# Altium PCB cyber60-smk.PcbDoc (part 1 of 4) (continued)
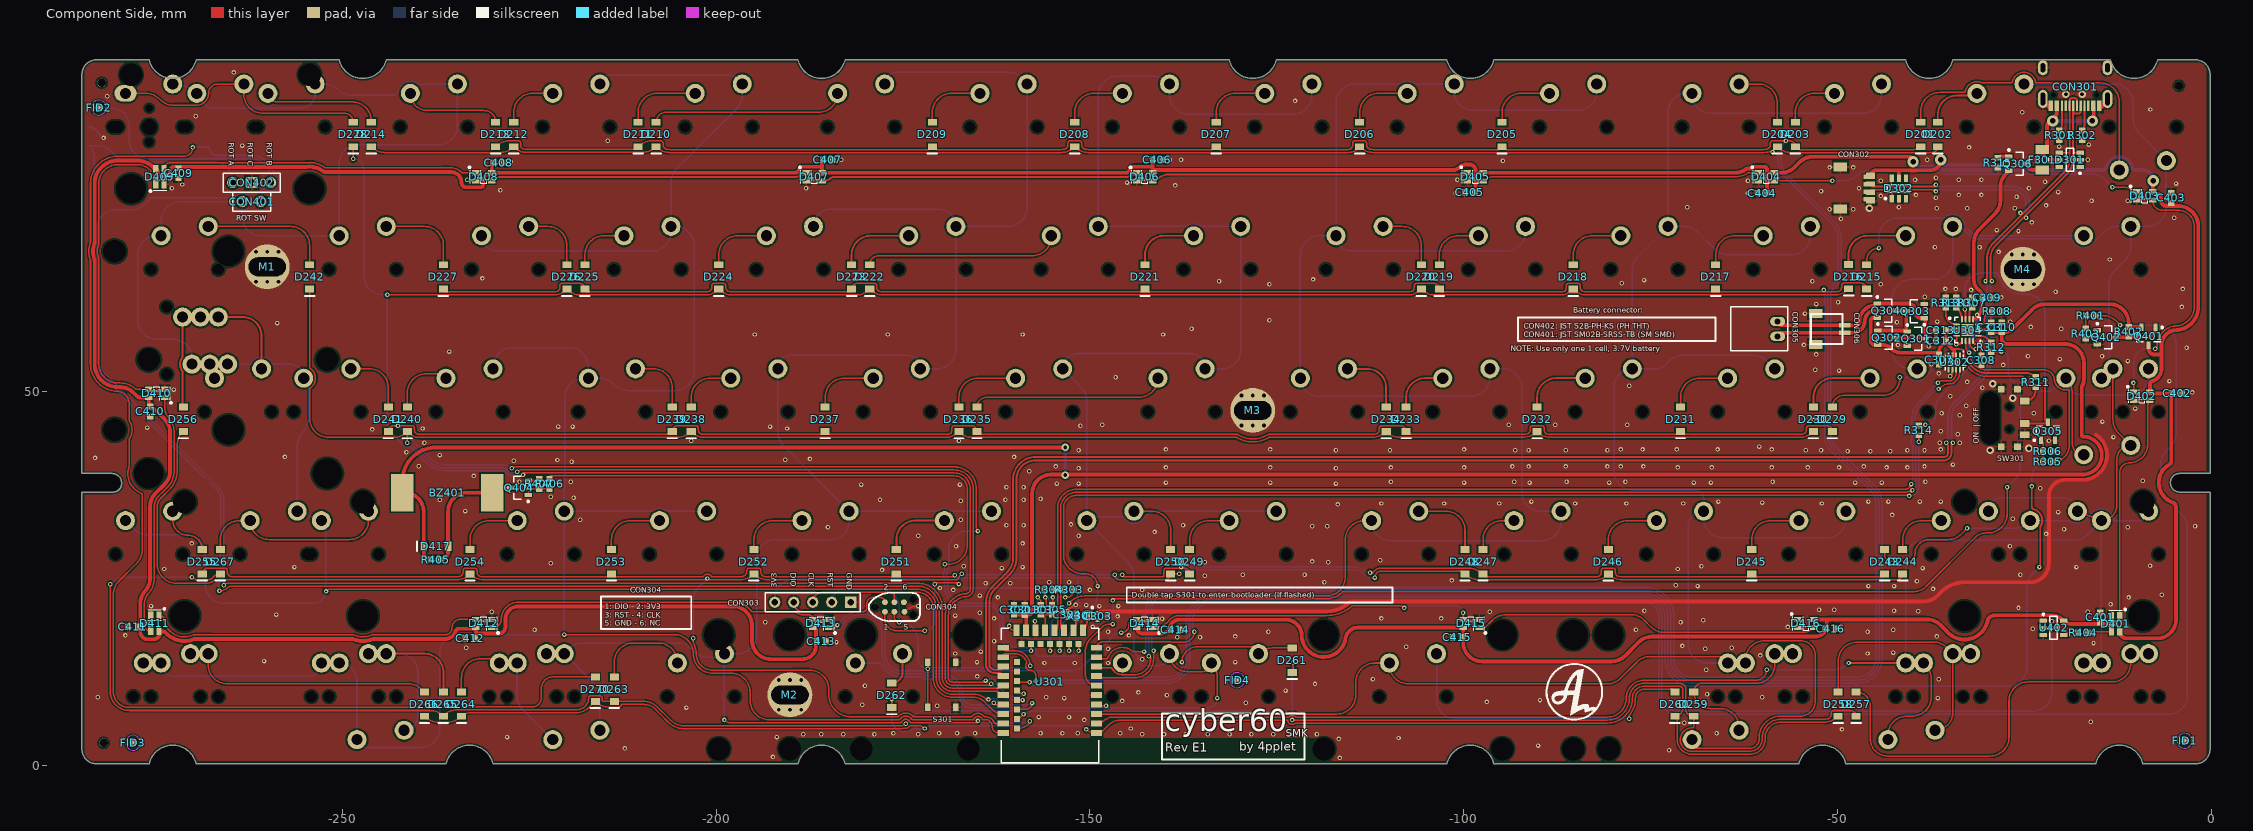
[diagram p0: Component Side view]
## Components (designator, comment, footprint, x,y, rotation, side; value= is the part's Value field where it differs from the comment) (continued)
S241 "MX" SMK-switch#1 -252.012,47.315 r180 bottom locked
S242 "MX" "SMK-switch - 1.5U" -271.087,66.365 r180 bottom locked
S243 "MX" "SMK-switch - Left shift v2" -21.056,28.265 r180 bottom locked
S244 "MX" "SMK-switch - switched polarity" -32.96,28.265 r180 bottom locked
S245 "MX" "SMK-switch - switched polarity" -52.012,28.265 r180 bottom locked
S246 "MX" "SMK-switch - switched polarity" -71.062,28.265 r180 bottom locked
S247 "MX" "SMK-switch - switched polarity" -90.112,28.265 r180 bottom locked
S248 "MX" SMK-switch#1 -109.162,28.265 r180 bottom locked
S249 "MX" "SMK-switch - switched polarity" -128.212,28.265 r180 bottom locked
S250 "MX" SMK-switch#2 -147.262,28.265 r180 bottom locked
S251 "MX" "SMK-switch - switched polarity" -166.312,28.265 r180 bottom locked
S252 "MX" "SMK-switch - switched polarity" -185.362,28.265 r180 bottom locked
S253 "MX" "SMK-switch - switched polarity" -204.412,28.265 r180 bottom locked
S254 "MX" "SMK-switch - switched polarity" -223.462,28.265 r180 bottom locked
S255 "MX" SMK-switch#1 -275.85,28.265 r180 bottom
S256 "MX" "SMK-switch - Enter - rotated stab" -263.95,47.315 r180 bottom locked
S257 "MX" "SMK-switch - 1.5u MOD-L" -13.912,9.215 r180 bottom locked
S258 "MX" "SMK-switch - L_WIN V2" -37.719,9.215 r180 bottom locked
S259 "MX" "SMK-switch - L_ALT V2" -61.537,9.215 r180 bottom locked
S260 "MX" "SMK-switch - 2.75U - rotated stab" -106.78,9.215 r180 bottom locked
S261 "MX" "SMK-switch - Space_V2" -142.499,9.215 r180 bottom locked
S262 "MX" "SMK-switch - 2.75U - rotated stab" -178.218,9.215 r180 bottom locked
S263 "MX" "SMK-switch - switched polarity" -202.031,9.215 r180 bottom locked
S264 "MX" "SMK-switch - R_ALT V2" -223.462,9.215 r180 bottom locked
S265 "MX" "SMK-switch - R_WIN V2" -247.269,9.215 r180 bottom
S266 "MX" "SMK-switch - 1.5u MOD-R" -271.087,9.215 r180 bottom locked
S267 "MX" "SMK-switch - right shift v2" -259.18,28.265 r180 bottom locked
S301 "SW-PB" "XKB SWITCH" -169.799,10.795 r270 top
SW301 "Korean Hroparts Elec K3-1296S-E2" "KOREAN HROPARTS ELEC K3-1296S-E2" -27,46.5 r180 top locked
U301 "E73-2G4M08S1C" E73-2G4M08S1C -155.348,0.356 r0 top locked
U302 "MAX17048" 8TDFN -34.374,53.931 r180 top
U304 "BQ24075" QFN16 -32.596,58.249 r0 top
U401 "EC-11 SMD" EC11-SMD -275.844,85.415 r90 bottom locked
U402 "SN74LV1T125" SOT-23-5 -21.082,18.415 r270 top
X301 "XTAL" XTAL-2012 -151.118,20.066 r180 top value=32.768KHz

## Footprints (in the part's own frame and the unit in brackets; to place one, negate y for a bottom-side part, rotate by r counter-clockwise, add the part's x,y. Pads: shape width x height; smd on the part's side, far side on the other; paste and mask are expansions set on the pad)
8TDFN [mm] "Generated for the MAX17048G+T10"
  rect 0.25x0.8 smd: 1(-0.75,-0.945) 2(-0.25,-0.945) 3(0.25,-0.945) 4(0.75,-0.945) 5(0.75,0.945) 6(0.25,0.945) 7(-0.25,0.945) 8(-0.75,0.945)
  rect 1.2x0.69 smd: 9(0,0)
  silkscreen extent -1.25,-1.5 1.2,1.05, body extent -1.05,-1.1 1.05,1.1, height 0.8
"buzzer 12x12" [mm] "Buzzer"
  rect 3x5 smd: 1(-6,0) 2(6,0)
  body extent -6,-6 6,6, height 3.05
C0402[1005] [mm] "Chip Resistor, 2-Leads, Body 1,00x0,50mm, IPC Medium Density"
  rect 0.55x0.55 smd: 1(-0.45,0) 2(0.45,0)
  body extent -0.32,-0.27 0.33,0.28, height 0.5
C0603[1608] [mm] "Chip Resistor, 2-Leads, Body 1,57x0,80mm, IPC Medium Density"
  rect 0.8x0.85 smd: 1(-0.65,0) 2(0.65,0)
  body extent -0.83,-0.43 0.82,0.43, height 0.5
C1206[3216] [mm]
  rect 1.2x1.8 smd: 1(-1.35,0) 2(1.35,0)
  silkscreen extent -0.35,-0.8 0.35,0.8, body extent -1.6,-0.9 1.6,0.9, height 1.2
E73-2G4M08S1C [mm]
  rect 1.5x0.8 smd: 1(6.25,3.97) 2(6.25,5.24) 3(6.25,6.51) 4(6.25,7.78) 5(6.25,9.05) 6(6.25,10.32) 7(6.25,11.59) 8(6.25,12.86) 9(6.25,14.13) 10(6.25,15.4) 26(-6.25,15.4) 27(-6.25,14.13) 29(-6.25,12.86) 31(-6.25,11.59) 33(-6.25,10.32) 35(-6.25,9.05) 37(-6.25,7.78) 39(-6.25,6.51) 41(-6.25,5.24) 43(-6.25,3.97)
  rect 0.8x1.5 smd: 11(4.44,17.75) 13(3.17,17.75) 15(1.9,17.75) 17(0.63,17.75) 19(-0.64,17.75) 21(-1.91,17.75) 23(-3.18,17.75) 25(-4.45,17.75)
  rect 0.8x0.8 smd: 12(3.81,15.9) 14(2.54,15.9) 16(1.27,15.9) 18(0,15.9) 20(-1.27,15.9) 22(-2.54,15.9) 24(-3.81,15.9) 28(-4.4,13.495) 30(-4.4,12.225) 32(-4.4,10.955) 34(-4.4,9.685) 36(-4.4,8.415) 38(-4.4,7.145) 40(-4.4,5.875) 42(-4.4,4.605)
  silkscreen extent -6.5,0 6.5,18, body extent -6.6,0.02 6.4,18.02, height 3
EC11-SMD [mm]
  rect 1.5x2 smd: 1(-2.5,8) 2(2.5,8) A(-2.5,-8) B(2.5,-8) C(0,-8)
  rect 2.5x3 smd: M(-6.75,0)
  rect 2.5x2.2 smd: M(6.75,0.508)
  round 0 hole 1.2 unplated: ""(-2,0)
  round 0 hole 1.6 slot 2.2 at 90 deg unplated: ""(0,-4.5)
  round 0 hole 2.1 unplated: ""(0,0)
  round 0 hole 1 unplated: ""(2.5,0)
  body extent -7.5,-8.5 7.5,8.5, height 19.5
Fiducial_Nordic [mm]
  round 1 smd paste+0 mask+0.5: 0(0,0)
  Component Side keep-out circle w0.01: c0,0 r1
HDR1X2 [mm] "Connector; Header; 2 Position"
  round 1.5 hole 0.9: 1(0,0) 2(2.54,0)
  silkscreen extent -1.27,-1.27 3.81,1.27
HDR1X3 [mm] "Connector; Header; 3 Position"
  round 1.5 hole 0.9: 1(0,0) 3(5.08,0)
  rect 1.5x1.5 hole 0.9: 2(2.54,0)
  silkscreen extent -1.27,-1.27 6.35,1.27
HDR1X5 [mm] "Connector; Header; 5 Position"
  rect 1.5x1.5 hole 0.9 mask+0.102: 1(0,0)
  round 1.5 hole 0.9 mask+0.102: 2(2.54,0) 3(5.08,0) 4(7.62,0) 5(10.16,0)
  silkscreen extent -1.27,-1.27 11.43,1.27
"JST S2B-PH-K(LF)(SN)" [mm]
  oval 1.25x2 hole 0.8: 1(1,0) 2(-1,0)
  body extent -2.95,-1.35 2.95,6.25, height 4.8
"JST SM02B-SRSS-TB" [mm]
  rect 0.6x1.55 smd: 1(-0.5,0) 2(0.5,0)
  rect 1.2x1.8 smd: 3(-2.1,-3.875) 3(2.1,-3.875)
  silkscreen extent -2,-4.57 2,-0.33, body extent -1.99,-4.58 1.99,0.41, height 3
"KOREAN HROPARTS ELEC K3-1296S-E2" [mm]
  rect 1.25x0.9 smd: 1(-2.075,-2.25) 2(-2.075,0.75) 3(-2.075,2.25)
  rect 0.9x0.9 smd: M(-1.1,3.85) M(-1.1,-3.85) M(1.1,3.85) M(1.1,-3.85)
  round 0 hole 0.9 unplated: ""(0,1.5) ""(0,-1.5)
  body extent -2.2,-3.85 2.7,3.85, height 1.45
L0603[1608] [mm] "Chip Resistor, 2-Leads, Body 1,57x0,80mm, IPC Medium Density"
  rect 0.8x0.85 smd: 1(-0.65,0) 2(0.65,0)
  body extent -0.83,-0.43 0.82,0.43, height 0.5
mounting_hole [mm]
  round 1 hole 0.5 paste+0 mask+0: 1(-1.5,-2) 1(-1.5,2) 1(0,-2) 1(0,2) 1(1.5,-2) 1(1.5,2)
  round 6 hole 2.5 slot 5 at 0 deg: 1(0,0)
QFN16 [mm] "Generated for BQ24075RGTR"
  oval 0.85x0.25 smd: 1(-1.45,0.75) 2(-1.45,0.25) 3(-1.45,-0.25) 4(-1.45,-0.75) 9(1.45,-0.75) 10(1.45,-0.25) 11(1.45,0.25) 12(1.45,0.75)
  oval 0.25x0.85 smd: 5(-0.75,-1.45) 6(-0.25,-1.45) 7(0.25,-1.45) 8(0.75,-1.45) 13(0.75,1.45) 14(0.25,1.45) 15(-0.25,1.45) 16(-0.75,1.45)
  rect 1.6x1.6 smd: 17(0,0)
  silkscreen extent -2.5,-1.73 1.73,1.73, body extent -1.66,-1.66 1.66,1.66, height 1
R0603[1608] [mm] "Chip Resistor, 2-Leads, Body 1,57x0,80mm, IPC Medium Density"
  rect 0.8x0.85 smd: 1(-0.65,0) 2(0.65,0)
  body extent -0.83,-0.43 0.82,0.43, height 0.5
SMK-switch#1 [mm]
  round 2.54 hole 1.499 mask+0.102: 1(-3.15,5.75) 2(3.15,4.5)
  round 1 hole 1.5 unplated: ""(-4.5,0) ""(4.5,0)
  round 1 on Mech14: ""(0,0)
SMK-switch#2 [mm]
  round 2.54 hole 1.5 mask+0.102: 1(-3.15,5.75) 2(3.15,4.5)
  round 1 hole 1.5 unplated: ""(-4.5,0) ""(4.5,0)
  round 1 on Mech14: ""(0,0)
"SMK-switch - 1.5U" [mm]
  round 2.54 hole 1.499 mask+0.102: 1(-3.15,5.75) 2(3.15,4.5)
  round 1 hole 1.5 unplated: ""(-4.5,0) ""(4.5,0)
  round 1 on Mech14: ""(0,0)
"SMK-switch - 1.5u MOD-L" [mm]
  round 2.54 hole 1.499 mask+0.102: 1(-5.531,5.75) 1(-3.15,5.75) 2(0.769,4.5) 2(3.15,4.5)
  round 1 hole 1.5 unplated: ""(-6.881,0) ""(-4.5,0) ""(2.119,0) ""(4.5,0)
  round 1 on Mech14: ""(-2.381,0) ""(0,0)
"SMK-switch - 1.5u MOD-R" [mm]
  round 2.54 hole 1.499 mask+0.102: 1(-3.15,5.75) 1(-0.769,5.75) 2(3.15,4.5) 2(5.531,4.5)
  round 1 hole 1.5 unplated: ""(-4.5,0) ""(-2.119,0) ""(4.5,0) ""(6.881,0)
  round 1 on Mech14: ""(0,0) ""(2.381,0)
"SMK-switch - 2.75U - rotated stab" [mil]
  round 100 hole 59 mask+4: 1(-124.02,226.38) 2(124.02,177.17)
  round 60 hole 120 unplated: ""(-470,-275) ""(470,-275)
  round 60 hole 157.01 unplated: ""(-470,325) ""(470,325)
  round 39.37 hole 59.06 unplated: ""(-177.17,0) ""(177.17,0)
  round 39.37 on Mech14: ""(0,0)
"SMK-switch - backspace" [mm]
  round 2.54 hole 1.5 mask+0.102: 1(3.15,4.5) 1(6.375,5.75) 2(-3.15,5.75)
  oval 3x2.2 hole 1.5 mask+0.102: 2(12.675,4.5)
  round 1.524 hole 4 unplated: ""(-11.938,-8.255) ""(11.938,-8.255)
  round 1.524 hole 3.048 unplated: ""(-11.938,6.985) ""(11.938,6.985)
  round 1 hole 1.5 unplated: ""(-4.5,0) ""(4.5,0) ""(5.025,0) ""(14.025,0)
  round 1 on Mech14: ""(0,0) ""(9.525,0)
"SMK-switch - CAPS" [mm]
  round 2.54 hole 1.499 mask+0.102: 1(-7.912,5.75) 1(0.769,-5.75) 1(3.15,4.5) 2(-5.531,-4.5) 2(-3.15,5.75) 2(-1.613,4.5)
  round 1 hole 1.5 unplated: ""(-9.263,0) ""(-4.5,0) ""(-0.262,0) ""(4.5,0)
  round 1 on Mech14: ""(-4.763,0) ""(-2.381,0) ""(0,0)
"SMK-switch - Enter - rotated stab" [mm]
  round 2.54 hole 1.499 mask+0.102: 1(-3.15,5.75) 1(2.649,12.68) 1(5.03,12.68) 1(7.411,12.68) 2(1.399,6.38) 2(3.15,4.5) 2(3.78,6.38) 2(6.161,6.38)
  round 1.524 hole 3.988 unplated: ""(-11.938,-8.255) ""(1.275,-2.408) ""(1.275,21.468) ""(11.938,-8.255)
  round 1.524 hole 3.048 unplated: ""(-11.938,6.985) ""(11.938,6.985) ""(16.515,-2.408) ""(16.515,21.468)
  round 1 hole 1.5 unplated: ""(-4.5,0) ""(4.5,0) ""(9.53,5.03) ""(9.53,14.03)
  round 1 on Mech14: ""(0,0) ""(7.149,9.53) ""(9.53,9.53) ""(11.911,9.53)
"SMK-switch - L_ALT V2" [mm]
  round 2.54 hole 1.499 mask+0.102: 1(-5.531,5.75) 1(-3.15,5.75) 1(1.613,-4.5) 2(0.769,4.5) 2(3.15,4.5) 2(7.912,-5.75)
  round 1 hole 1.5 unplated: ""(-6.881,0) ""(-4.5,0) ""(2.119,0) ""(4.5,0)
  round 1 on Mech14: ""(-2.381,0) ""(0,0) ""(4.763,0)
"SMK-switch - L_WIN V2" [mm]
  round 2.54 hole 1.499 mask+0.102: 1(-5.531,5.75) 1(-3.15,5.75) 1(-0.769,-4.5) 2(0.769,4.5) 2(3.15,4.5) 2(5.531,-5.75)
  round 1 hole 1.5 unplated: ""(-6.881,0) ""(-4.5,0) ""(2.119,0) ""(4.5,0)
  round 1 on Mech14: ""(-2.381,0) ""(0,0) ""(2.381,0)
"SMK-switch - Left shift v2" [mm]
  round 2.54 hole 1.499 mask+0.102: 1(-12.675,5.75) 1(3.15,4.5) 2(-6.375,4.5) 2(-3.15,5.75)
  round 1 hole 1.5 unplated: ""(-14.025,0) ""(-5.025,0) ""(-4.5,0) ""(4.5,0)
  round 1.524 hole 3.988 unplated: ""(-11.938,-8.255) ""(11.938,-8.255)
  round 1.524 hole 3.048 unplated: ""(-11.938,6.985) ""(11.938,6.985)
  round 1 on Mech14: ""(-9.525,0) ""(0,0)
"SMK-switch - R_ALT V2" [mm]
  round 2.54 hole 1.499 mask+0.102: 1(-7.912,-4.5) 1(-3.15,5.75) 1(-0.769,5.75) 2(-1.613,-5.75) 2(3.15,4.5) 2(5.531,4.5)
  round 1 on Mech14: ""(-4.763,0) ""(0,0) ""(2.381,0)
  round 1 hole 1.5 unplated: ""(-4.5,0) ""(-2.119,0) ""(4.5,0) ""(6.881,0)
"SMK-switch - R_WIN V2" [mm]
  round 2.54 hole 1.499 mask+0.102: 1(-5.531,-4.5) 1(-3.15,5.75) 1(-0.769,5.75) 2(0.769,-5.75) 2(3.15,4.5) 2(5.531,4.5)
  round 1 hole 1.5 unplated: ""(-4.5,0) ""(-2.119,0) ""(4.5,0) ""(6.881,0)
  round 1 on Mech14: ""(-2.381,0) ""(0,0) ""(2.381,0)
"SMK-switch - right shift v2" [mm]
  round 2.54 hole 1.499 mask+0.102: 1(-12.675,5.75) 1(3.15,4.5) 2(-6.375,4.5) 2(-3.15,5.75)
  round 1 hole 1.5 unplated: ""(-14.025,0) ""(-5.025,0) ""(-4.5,0) ""(4.5,0)
  round 1.524 hole 3.988 unplated: ""(-11.938,-8.255) ""(11.938,-8.255)
  round 1.524 hole 3.048 unplated: ""(-11.938,6.985) ""(11.938,6.985)
  round 1 on Mech14: ""(-9.525,0) ""(0,0)
"SMK-switch - Space_V2" [mm]
  round 2.54 hole 1.499 mask+0.102: 1(-8.756,4.5) 1(-3.15,5.75) 2(-15.056,5.75) 2(3.15,4.5)
  round 1.524 hole 3.048 unplated: ""(-61.91,-6.985) ""(-57.15,-6.985) ""(38.09,-6.985) ""(57.15,-6.985)
  round 1.524 hole 3.988 unplated: ""(-61.91,8.255) ""(-57.15,8.255) ""(38.09,8.255) ""(57.15,8.255)
  round 1 hole 1.5 unplated: ""(-16.406,0) ""(-7.406,0) ""(-4.5,0) ""(4.5,0)
  round 1 on Mech14: ""(-11.906,0) ""(0,0)
"SMK-switch - switched polarity" [mm]
  round 2.54 hole 1.499 mask+0.102: 1(3.15,4.5) 2(-3.15,5.75)
  round 1 hole 1.5 unplated: ""(-4.5,0) ""(4.5,0)
  round 1 on Mech14: ""(0,0)
SOD-123 [mm]
  rect 0.91x1.22 smd: 1(1.635,0) 2(-1.635,0)
  silkscreen extent -2.54,-0.64 -2.54,0.63, body extent -1.87,-0.85 1.88,0.85, height 1.2
SOT-23-3 [mm] "3.3v regulator, used in Windsond S2 proto 1"
  rect 1x0.55 smd: 1(1.2,-0.95) 2(1.2,0.95) 3(-1.2,0)
  silkscreen extent -0.7,-1.95 1.32,1.55, body extent -1.1,-1.5 1.45,1.5, height 1
SOT-23-5 [mm]
  rect 0.55x1 smd: 1(-0.95,-1.375) 2(0,-1.375) 3(0.95,-1.375) 4(0.95,1.375) 5(-0.95,1.375)
  silkscreen extent -1.92,-1.5 1.55,0.46, body extent -1.5,-1.6 1.5,1.6, height 0.92
SOT-23-6 [mm]
  rect 1x0.55 smd: 1(1.375,-0.95) 2(1.375,0) 3(1.375,0.95) 4(-1.375,0.95) 5(-1.375,0) 6(-1.375,-0.95)
  silkscreen extent -0.46,-1.92 1.5,1.55, body extent -1.47,-1.49 1.37,1.44, height 1.05
TC2030-IDC-NL [mm] "Tag-Connect 6-Pin with No Legs (PN# TC2030-IDC-NL)"
  round 0.9 hole 0.995 unplated: 0(-2.54,0) 0(2.54,-1.016) 0(2.54,1.016)
  round 0.79 smd paste-0.39: 1(-1.27,-0.635) 2(-1.27,0.635) 3(0,-0.635) 4(0,0.635) 5(1.35,-0.635) 6(1.27,0.635)
  silkscreen extent -3.43,-1.91 3.43,1.9
TYPE-C-31-M-12 [mm]
  rect 0.6x1.45 smd: A1B12(-3.25,0) A4B9(-2.45,0) B1A12(3.25,0) B4A9(2.45,0)
  rect 0.3x1.45 smd: A5(-1.25,0) A6(-0.25,0) A7(0.25,0) A8(1.25,0) B5(1.75,0) B6(0.75,0) B7(-0.75,0) B8(-1.75,0)
  oval 1.3x2.4 hole 0.6 slot 1.7 at 90 deg: S1(-4.32,-0.915)
  oval 1.3x2 hole 0.6 slot 1.2 at 90 deg: S1(-4.32,-5.095) S1(4.32,-5.095)
  oval 1.3x2.4 / inner oval 1x2.1 / far side oval 1.3x2.4 hole 0.6 slot 1.7 at 90 deg: S1(4.32,-0.915)
  round 0 hole 0.65 unplated: ""(-2.89,-1.445) ""(2.89,-1.445)
  body extent -4.47,-7.72 4.47,0.18, height 3.21
UDB_COMBO_JST_MOLEX [mm]
  rect 0.6x1.2 smd: 1(-1.8,2.2) 2(-0.6,2.2) 3(0.6,2.2) 4(1.8,2.2)
  rect 0.6x1.55 smd: 1(-1.5,2.021) 2(-0.5,2.021) 3(0.5,2.021) 4(1.5,2.021)
  rect 0.85x1 smd: 5(-2.94,-1.887) 5(2.94,-1.887)
  rect 1.2x1.8 smd: 5(-2.8,-1.854) 5(2.8,-1.854)
  body extent -3.01,-2.62 2.99,2.33, height 2.96
"WS2812B - 2020" [mm]
  rect 1x0.7 smd: 1(1.065,0.55) 2(-1.065,0.55) 3(-1.065,-0.55) 4(1.065,-0.55)
  silkscreen extent -2.03,-0.89 0.38,1.4, body extent -1.1,-1 1.1,1, height 0.86
"XKB SWITCH" [mm] "XKB Enterprise TS-1187A-C-D-B"
  rect 1x0.75 smd: 1(-3,1.875) 1(3,1.875) 2(-3,-1.875) 2(3,-1.875)
  body extent -3.25,-2.55 3.25,2.55, height 2
XTAL-2012 [mm]
  rect 0.7x1.4 smd: 1(-0.75,0) 2(0.75,0)
  silkscreen extent -1.57,-1.19 -1.32,-0.94

## Part data
BZ401: library part Speaker, "Loudspeaker", LCSC MFG=Fengming, LCSC Part #=C409829, MRF.Part=YS-SBZ1230
C301 C307 C309 C401 C402 C403 C404 C405 C406 C407 C408 C409 C410 C411 C412 C413 C414 C415 C416: library part Cap, "Capacitor", LCSC MFG=YAGEO, LCSC Part #=C14663, MRF.Part=CC0603KRX7R9BB104, Version="0603 imperial"
  C401 C402 C403 C404 C405 C406 C407 C408 C409 C410 C411 C412 C413 C414 C415 C416: MFG=KEMET, MFGPN=C0603C104M5RACTU
C302 C311 C313: library part Cap, "Capacitor", LCSC MFG="Samsung Electro-Mechanics", LCSC Part #=C19666, MRF.Part=CL10A475KO8NNNC
  C302: Version="0603 imperial"
C303 C304: library part Cap, "Capacitor", LCSC MFG="FH (Guangdong Fenghua Advanced Tech)", LCSC Part #=C1547, MRF.Part=0402CG120J500NT, Version=0402
C305 C308 C310 C312: library part Cap, "Capacitor", LCSC MFG="Samsung Electro-Mechanics", LCSC Part #=C15849, MRF.Part=CL10A105KB8NNNC, Version="0603 imperial"
CON301: LCSC MFG="Korean Hroparts Elec", LCSC Part #=C165948, MFG="Korean Hroparts Elec", MFGPN=TYPE-C-31-M-12, MRF.Part=TYPE-C-31-M-12
CON302: "JST for USB daughter board", LCSC MFG="JST Sales America", LCSC Part #=C160404, MFG="JST Sales America Inc.", MFGPN=SM04B-SRSS-TB(LF)(SN), MRF.Part=SM04B-SRSS-TB(LF)(SN)
CON303: "Header, 5-Pin"
CON304: library part "Header 3X2", "Header, 3-Pin, Dual row"
CON305: library part "Header 2", "Header, 2-Pin", LCSC MFG="JST Sales America", LCSC Part #=C265016, MRF.Part=S2B-PH-K(LF)(SN)
CON306: library part "JST S2B-PH-SM4-TB", LCSC MFG="JST Sales America", LCSC Part #=C160402, MRF.Part=SM02B-SRSS-TB(LF)(SN)
CON401: "Header, 2-Pin"
CON402: "Header, 3-Pin"
D201 D202 D203 D204 D205 D206 D207 D208 D209 D210 D211 D212 D213 D214 D215 D216 D217 D218 D219 D220 D221 D222 D223 D224 D225 D226 D227 D228 D229 D230 D231 D232 D233 D234 D235 D236 D237 D238 D239 D240 D241 D242 D243 D244 D245 D246 D247 D248 D249 D250 D251 D252 D253 D254 D255 D256 D257 D258 D259 D260 D261 D262 D263 D264 D265 D266 D267 D270: "Default Diode", LCSC MFG=ST(Semtech), LCSC Part #=C81598, MRF.Part=1N4148W, Version=SOD-123
D301 D302: LCSC MFG="ProTek Devices", LCSC Part #=C85364, MRF.Part=SRV05-4-P-T7
D401 D402 D403 D404 D405 D406 D407 D408 D409 D410 D411 D412 D413 D414 D415 D416: LCSC MFG=Worldsemi, LCSC Part #=C965556, MRF.Part=WS2812C-2020
D417: library part Diode, "Default Diode", LCSC MFG="Changjiang Electronics Tech (CJ)", LCSC Part #=C8598, MRF.Part=B5819W, Version=SOD-123
F301: "Thermal Fuse", LCSC MFG="Shenzhen JDT Fuse", LCSC Part #=C135338, MFG="Bel Fuse Inc.", MFGPN=0ZCJ0050FF2G, MRF.Part=ASMD1206-050
L301: LCSC MFG="Taiyo Yuden", LCSC Part #=C92982, MRF.Part=CBMF1608T100K
Q301 Q303 Q305 Q402 Q404: library part MOSFET-N, "N-Channel MOSFET", LCSC MFG="Changjiang Electronics Tech (CJ)", LCSC Part #=C8545, MRF.Part=2N7002
Q302 Q304 Q306 Q401: library part PMOS-2, "P-Channel Power MOSFET", LCSC MFG="Vishay Intertech", LCSC Part #=C10487, MRF.Part=SI2301CDS-T1-GE3, Note="Pin 4 not drawn and electrically connected to Pin 2."
R301 R302: "Resistor", LCSC MFG="Uniroyal Elec", LCSC Part #=C23186, MFG="Panasonic Electronic Components", MFGPN=ERJ-3EKF5101V, MRF.Part=0603WAF5101T5E, Version="0603 imperial"
R303 R304 R306 R311 R312 R313 R314: "Resistor", LCSC MFG="Uniroyal Elec", LCSC Part #=C25804, MRF.Part=0603WAF1002T5E, Version="0603 imperial"
R305: "Resistor", LCSC MFG="UNI-ROYAL(Uniroyal Elec)", LCSC Part #=C22775, MRF.Part=0603WAF1000T5E, Version="0603 imperial"
R307: "Resistor", LCSC MFG="UNI-ROYAL(Uniroyal Elec)", LCSC Part #=C25819, MRF.Part=0603WAF4702T5E, Version="0603 imperial"
R308 R315: "Resistor", LCSC MFG="UNI-ROYAL(Uniroyal Elec)", LCSC Part #=C22843, MRF.Part=0603WAF1501T5E, Version="0603 imperial"
R310: "Resistor", LCSC MFG="UNI-ROYAL(Uniroyal Elec)", LCSC Part #=C23018, MRF.Part=0603WAF3901T5E, Version="0603 imperial"
R401 R404 R406: "Resistor", LCSC MFG="Uniroyal Elec", LCSC Part #=C23138, MRF.Part=0603WAF3300T5E, Version="0603 imperial"
R402: "Resistor", LCSC MFG="Uniroyal Elec", LCSC Part #=C22976, MRF.Part=0603WAF2004T5E, Version="0603 imperial"
R403: "Resistor", LCSC MFG="Uniroyal Elec", LCSC Part #=C22935, MRF.Part=0603WAF1004T5E, Version="0603 imperial"
R405: "Resistor", LCSC MFG="Uniroyal Elec", LCSC Part #=C23228, MRF.Part=0603WAF6800T5E, Version="0603 imperial"
R407: "Resistor", LCSC MFG="Uniroyal Elec", LCSC Part #=C25803, MRF.Part=0603WAF1003T5E, Version="0603 imperial"
S201 S202 S203 S204 S205 S206 S207 S208 S209 S210 S211 S212 S213 S214 S216 S217 S218 S219 S220 S221 S222 S223 S224 S225 S226 S227 S228 S229 S230 S231 S232 S233 S234 S235 S236 S237 S238 S239 S240 S241 S242 S243 S244 S245 S246 S247 S248 S249 S250 S251 S252 S253 S254 S255 S256 S257 S258 S259 S260 S261 S262 S263 S264 S265 S266 S267: library part SW-PB, "Switch"
S215: library part SW-PB, "TAB"
S301: "Switch", LCSC MFG="XKB Enterprise", LCSC Part #=C318888, MRF.Part=TS-1187A-C-D-B
SW301: LCSC MFG="Korean Hroparts Elec", LCSC Part #=C136659, MFGPN=K3-1296S-E2
U301: LCSC MFG="Chengdu Ebyte Elec Tech", LCSC Part #=C356849, MRF.Part=E73-2G4M08S1C
U302: LCSC MFG="Analog Devices Inc./Maxim Integrated", LCSC Part #=C2682616, MRF.Part=MAX17048G+T10
U304: LCSC MFG="Texas Instruments", LCSC Part #=C15464, MRF.Part=BQ24075RGTR
U401: library part EC-11
U402: "SN74LV1T125 or SN74LV1T34. Connect OE to GND", LCSC MFG="Texas Instruments", LCSC Part #=C473338, MRF.Part=SN74LV1T125DBVR, Version=SOT-23
X301: "Crystal Oscillator", LCSC MFG="Seiko Epson", LCSC Part #=C55208, MRF.Part=X1A0000610002, Version="3225, 18pF"
M1 M2 M3 M4: LatestRevisionDate=17-Jul-2002, LatestRevisionNote="Re-released for DXP Platform.", Publisher="Altium Limited"

## Free pads (board coordinates)
  round 1.152 hole 1.152 unplated paste+0.148 mask+0.148: ""(-282.194,91.313) ""(-281.94,3.048) ""(-4.318,90.932)
  round 0 hole 2.5 slot 7 at 90 deg unplated: ""(-29.575,46.482)

## Via types
v1: diameter 0.6, hole 0.3, Component Side to Bottom Layer, tented both sides, 577 vias
v2: diameter 1, hole 0.5, Component Side to Bottom Layer, tented both sides, 9 vias
v3: diameter 1.5, hole 0.75, Component Side to Bottom Layer, tented both sides, 5 vias

## Nets (pads, with @x,y where several pads share a name; then routed paths per layer and width w, separated by ;. In a path a pad name is that pad's centre, name@x,y a point inside that pad or via, vN(x,y) a via of type N, cw(c..) or ccw(c..) an arc to the next point about the centre after c; other vN are vias at no path point)
BUZZ: R406.2 U301.22 | length 90.5
  Component Side w0.203: R406.2@-222.281,38.318 -222.184,38.616 -222.184,38.72 cw(c-222.095,38.538) -222.123,38.739 -168.126,38.739 cw(c-168.126,37.006) -166.392,37.006 -166.392,29.464 cw(c-168.932,29.464) -168.932,26.924 v1(-169.418,26.924) ; U301.22@-157.888,16.256 cw(c-157.888,16.229) -157.861,16.229 v1(-157.861,15.367)
  Bottom Layer w0.203: v1(-169.418,26.924) -169.418,26.146 ccw(c-168.081,25.457) -169.512,24.993 ccw(c-169.128,25.116) -169.511,24.991 ccw(c-168.081,25.457) -169.439,24.81 ccw(c-168.081,25.457) -169.418,24.767 -169.418,23.876 ccw(c-166.878,23.876) -166.878,21.336 -163.576,21.336 cw(c-163.576,19.812) -163.508,21.334 ccw(c-163.468,21.736) -163.489,21.333 ; -163.488,21.333 ccw(c-163.468,21.736) -163.486,21.333 cw(c-163.612,18.796) -163.452,21.331 cw(c-163.576,19.812) -162.052,19.812 -162.052,17.907 ccw(c-159.512,17.907) -159.512,15.367 v1(-157.861,15.367)
CHG: R312.2 U301.6 | length 163.6
  Component Side w0.203: U301.6@-149.098,10.676 cw(c-149.098,12.2) -150.622,12.2 -150.622,15.24 cw(c-148.169,15.24) -149.904,16.974 -148.314,18.564 ; -148.314,18.564 cw(c-147.447,17.697) -147.447,18.923 v1(-146.939,18.923) ; v1(-146.939,22.087) -146.939,22.285 -145.348,22.285 -144.459,22.285 -143.062,22.285 -141.284,22.285 -139.76,22.285 -137.728,22.285 -135.316,22.285 -121.412,22.285 -121.031,22.285 -120.583,22.285 -119.821,22.285 -119.634,22.285 -118.364,22.285 ccw(c-118.364,25.229) -118.198,22.29 ccw(c-118.364,25.229) -117.279,22.493 ccw(c-118.364,25.229) -116.709,22.795 ccw(c-118.364,25.229) -116.215,23.217 -104.775,23.217 -99.51,23.217 ccw(c-99.51,23.42) -99.474,23.22 -99.436,23.227 -99.392,23.235 -39.92,23.235 ccw(c-39.92,25.775) -38.124,23.979 -31.617,30.486 cw(c-30.099,28.969) -30.099,31.115 -29.845,31.115 ccw(c-29.845,33.655) -27.305,33.655 v1(-27.305,37.211) ; R312.2@-29.421,55.313 -29.353,55.245 -29.226,55.372 v1(-28.067,55.372)
  Bottom Layer w0.203: v1(-146.939,18.923) v1(-146.939,22.087) ; v1(-28.067,55.372) cw(c-28.067,54.483) -27.178,54.483 -27.178,52.995 ccw(c-24.638,52.995) -26.434,51.199 -26.271,51.036 cw(c-28.067,49.24) -25.527,49.24 -25.527,40.041 cw(c-28.067,40.041) -26.271,38.245 v1(-27.305,37.211)
col1: S201.2 S202.2 S215.2 S216.2 S229.2 S230.2 S243.2 S244.2 S257.2 S258.2 U301.2 | length 343
  Component Side w0.203: U301.2@-148.783,5.896 -148.783,5.894 -148.953,5.741 U301.2@-149.098,5.596 -148.93,5.596 ccw(c-148.93,6.436) -148.336,5.842 cw(c-146.783,4.289) -146.783,6.485 -123.395,6.485 cw(c-122.936,6.096) -122.477,6.485 -80.773,6.485 ccw(c-80.773,9.025) -78.233,9.025 cw(c-75.846,9.025) -78.233,9.039 cw(c-75.846,9.025) -75.846,11.413 -60.875,11.413 ccw(c-60.875,12.827) v1(-59.461,12.827) ; v1(-48.514,13.716) S258.2@-40.869,13.715 ; S258.2@-43.25,3.465 -43.25,4.064 cw(c-40.71,4.064) -40.71,6.604 -40.005,6.604 ccw(c-40.005,9.144) -38.488,7.107 ccw(c-40.005,9.144) -37.465,9.144 -37.465,11.64 ccw(c-40.005,11.64) -38.209,13.436 S258.2@-38.488,13.715 ; S258.2@-40.561,14.17 ccw(c-40.561,14.597) S258.2@-40.259,14.295 ; S243.2@-17.906,34.015 S243.2@-14.681,32.765 ccw(c-14.681,34.793) -12.653,34.793 -12.653,40.924 cw(c-10.763,40.924) S229.2@-10.763,42.815 -12.4,44.452 cw(c-10.604,46.248) -13.144,46.248 S229.2@-13.144,53.065
  Bottom Layer w0.203: v1(-59.461,12.827) -50.455,12.827 ccw(c-50.455,15.367) -48.659,13.571 v1(-48.514,13.716) ; S258.2@-40.869,13.715 -40.869,27.585 cw(c-38.329,27.585) -38.329,30.125 -28.675,30.125 -27.898,30.125 -25.019,30.125 -18.374,30.125 ccw(c-18.374,32.665) -16.644,30.805 ccw(c-18.374,32.665) -16.578,30.869 S243.2@-14.681,32.765 S257.2@-14.681,13.715 ; S230.2@-39.338,53.065 -40.132,53.065 cw(c-40.132,55.605) -42.672,55.605 -42.672,62.484 cw(c-40.132,62.484) -40.132,65.024 -37.115,65.024 ccw(c-37.115,67.564) -34.575,67.564 S216.2@-34.575,72.115 cw(c-34.575,69.59) -32.79,71.376 -32.377,70.962 ccw(c-31.168,72.171) -31.168,70.462 -18.732,70.462 cw(c-18.73,70.259) -18.54,70.328 ccw(c-17.062,70.865) -15.95,69.755 ; S258.2@-38.488,13.715 ccw(c-37.727,13.715) S258.2@-37.727,12.954 ; S244.2@-29.81,34.015 cw(c-28.011,34.015) -28.011,35.814 -19.705,35.814 cw(c-19.705,34.015) S243.2@-17.906,34.015 ; S202.2@-25.05,91.165 -12.954,91.165 cw(c-12.954,88.625) -10.414,88.625 -10.414,86.381 ccw(c-7.874,86.381) -9.67,84.585 S201.2@-6,80.915 -6,74.655 cw(c-8.54,74.655) -8.54,72.115 S215.2@-10.763,72.115 ; -15.951,69.754 -15.95,69.755 ; S229.2@-14.681,52.395 S229.2@-14.071,52.395 ; S229.2@-13.144,53.065 cw(c-13.144,53.637) -13.716,53.637 -13.716,64.353 cw(c-11.176,64.353) -12.972,66.149 -11.506,67.615 ccw(c-13.303,69.411) -10.763,69.411 S215.2@-10.763,72.115 ; -15.95,69.755 -14.334,71.371 cw(c-12.538,69.575) -12.538,72.115 S215.2@-10.763,72.115
col2: S203.2 S204.2 S217.2 S218.2 S231.2 S232.2 S245.2 S246.2 S259.2 S260.2 U301.3 | length 327
  Component Side w0.203: U301.3@-149.098,6.866 cw(c-149.044,6.812) -149.044,6.888 -123.554,6.888 cw(c-122.936,6.096) -122.318,6.888 -116.967,6.888 ccw(c-116.967,9.428) -114.427,9.428 -114.427,11.175 cw(c-111.887,11.175) -111.887,13.715 S260.2@-109.93,13.715 -109.93,13.462 ccw(c-107.39,13.462) -107.39,10.922 -80.808,10.922 ccw(c-80.808,13.462) -79.012,11.666 -76.849,13.829 cw(c-75.053,12.033) -75.053,14.573 -64.667,14.573 cw(c-64.667,14.295) S259.2@-64.389,14.295 ; S259.2@-69.449,3.465 ccw(c-68.016,3.465) -68.905,2.341 ccw(c-68.779,2.5) -68.779,2.297 -61.733,2.297 ccw(c-61.733,3.556) -60.474,3.556 -60.474,3.705 cw(c-57.575,3.705) -60.328,4.615 cw(c-57.575,3.705) -59.003,6.228 cw(c-57.575,3.705) -57.575,6.604 -54.991,6.604 ccw(c-54.991,8.636) -52.959,8.636 -52.959,14.74 ccw(c-54.906,14.74) -54.904,16.687 ccw(c-54.906,14.74) -54.906,16.687 -59.766,16.687 ccw(c-59.766,14.147) -62.306,14.147 S259.2@-62.306,13.715
  Bottom Layer w0.203: S259.2@-64.712,14.295 S259.2@-64.077,14.295 ; S259.2@-64.687,13.715 -67.437,13.715 cw(c-67.437,16.255) -69.977,16.255 -69.977,31.95 cw(c-67.912,31.95) S246.2@-67.912,34.015 ; S231.2@-58.388,53.065 -59.443,54.12 ccw(c-61.239,52.324) -61.239,54.864 -70.703,54.864 ccw(c-70.703,52.324) -72.499,54.12 -73.025,53.594 cw(c-74.302,54.871) -74.302,53.065 S232.2@-77.438,53.065 ; S217.2@-53.625,72.115 -53.625,70.866 cw(c-56.165,70.866) -56.165,68.326 -64.607,68.326 cw(c-64.607,70.866) -66.403,69.07 -68.704,71.371 ccw(c-70.5,69.575) -70.5,72.115 S218.2@-72.675,72.115 ; S245.2@-48.862,34.015 -48.862,33.02 cw(c-51.402,33.02) -51.402,30.48 -65.372,30.48 cw(c-65.372,33.02) -67.912,33.02 S246.2@-67.912,34.015 ; S203.2@-44.1,91.165 -44.1,89.789 cw(c-46.64,89.789) -46.64,87.249 -66.91,87.249 cw(c-66.91,89.789) -69.45,89.789 S204.2@-69.45,89.915 -70.135,89.915 ccw(c-70.135,87.375) -72.675,87.375 S218.2@-72.675,72.115 ; S232.2@-77.438,53.065 ccw(c-77.438,50.62) -79.883,50.62 -79.883,39.37 ccw(c-77.343,39.37) -77.343,36.83 -69.055,36.83 cw(c-69.055,35.687) -67.912,35.687 S246.2@-67.912,34.015 ; S232.2@-77.438,53.065 -77.438,66.3 cw(c-74.898,66.3) -76.694,68.096 S218.2@-72.675,72.115